# Altium PCB COPY 1 - Copy.PcbDoc (part 2 of 2) (continued)
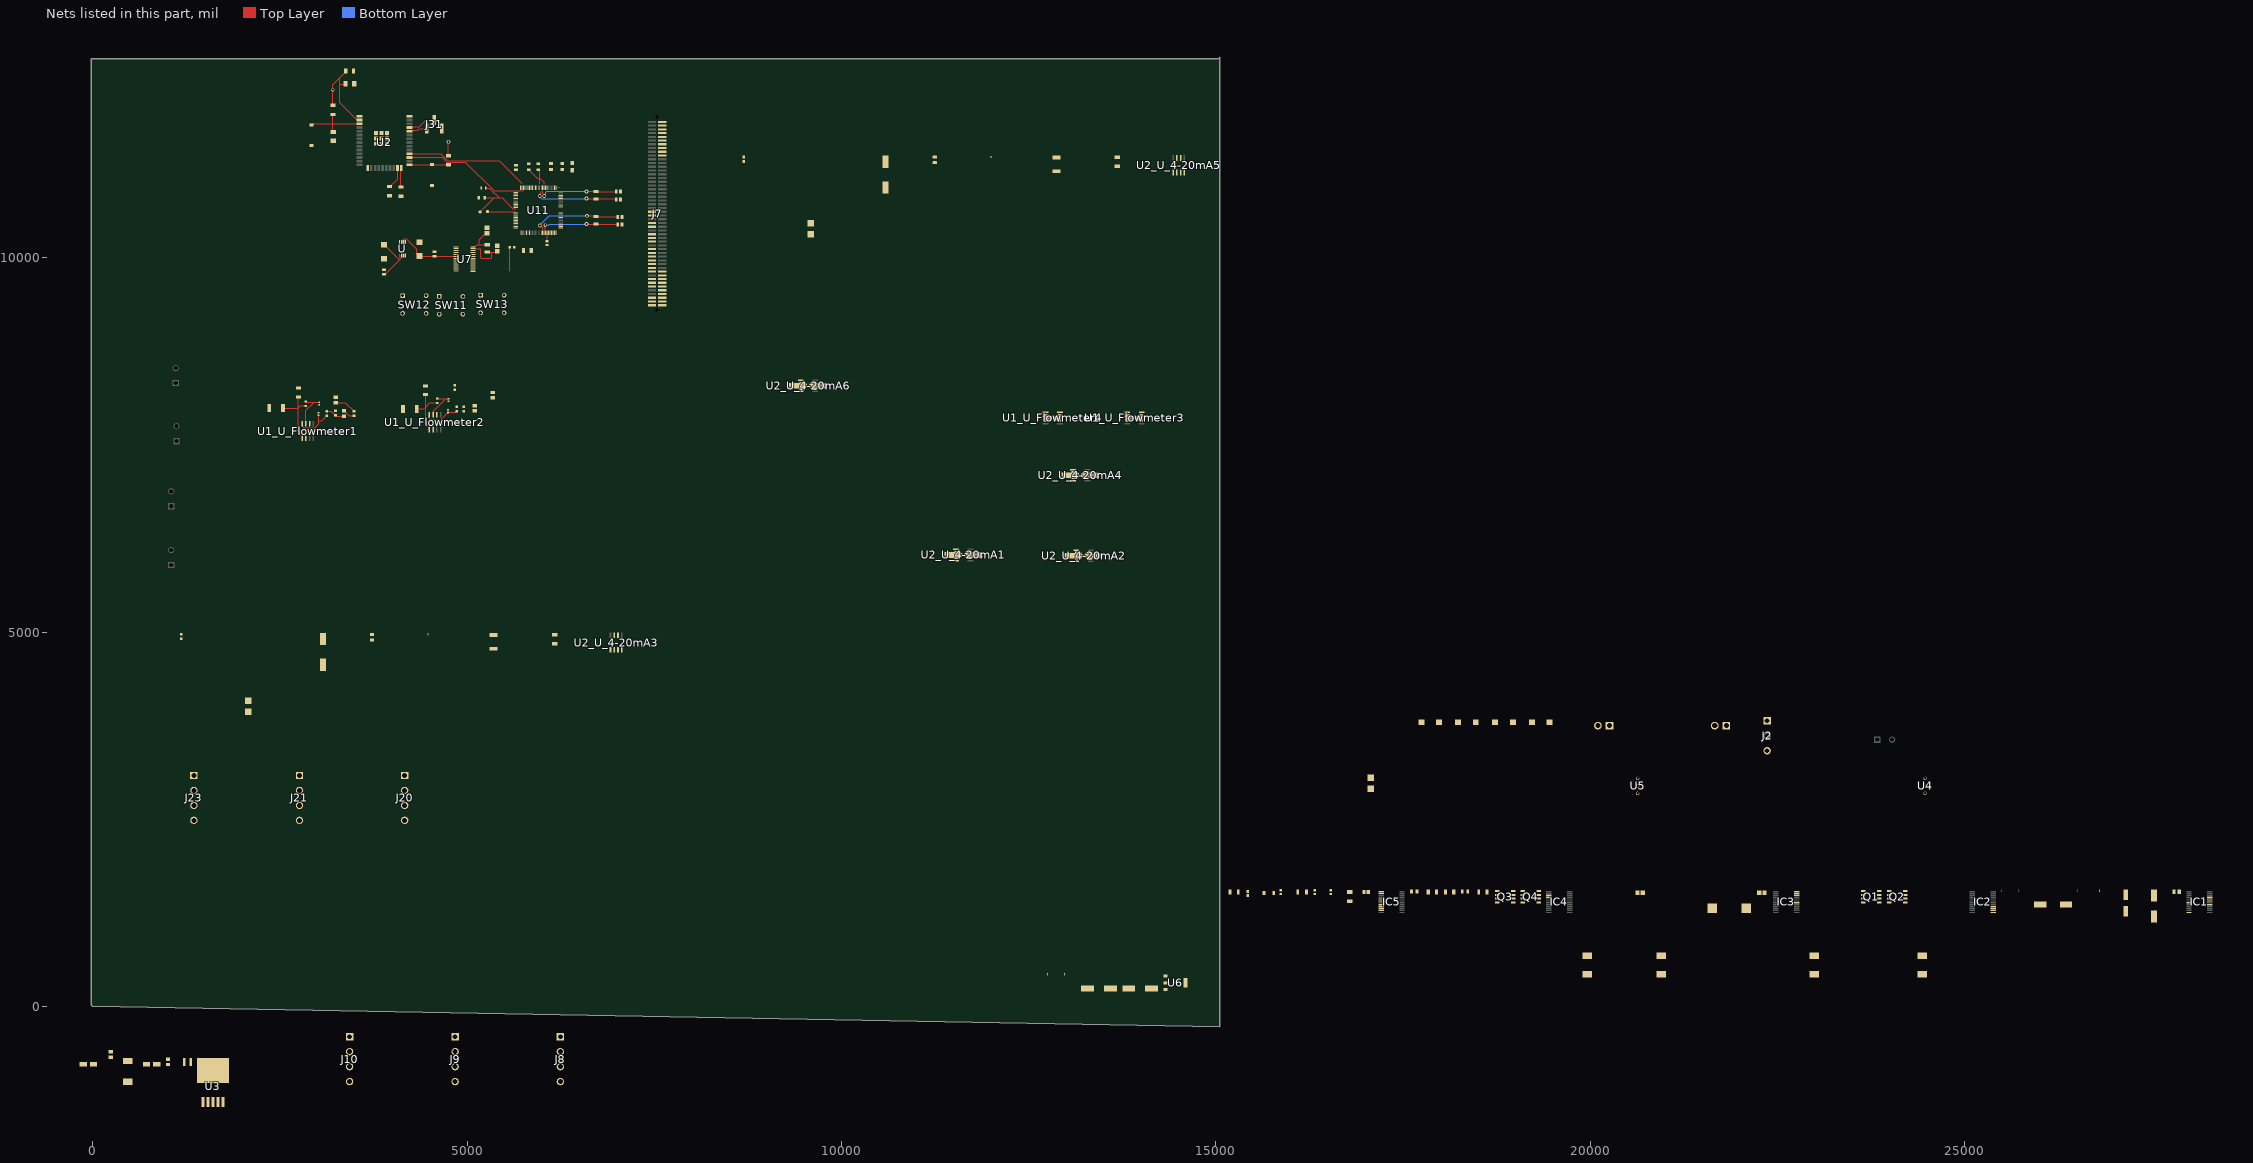
[diagram p2: the nets of this part, all layers, seen from the top]
## Part data (continued)
J J4 J5 J6 "JP 1": "2 Position Terminal Block Header, Male Pins, Shrouded _4 Side_ 0.200 _5.08mm_ 90Â°, Right Angle Through Hole", Package=None, Supplier Part Number 1=651-1757242, Digi-Key_Part_Number=277-1106-ND, Digi-Key_Purchase_URL=https://www.digikey.ch/product-detail/en/phoenix-contact/1757242/277-1106-ND/260474?utm_source=snapeda&utm_medium=aggregator&utm_campaign=symbol, MF="Phoenix Contact", MP=1757242, SnapEDA_Link=https://www.snapeda.com/parts/1757242/Phoenix%20Contact/view-part/228512/?ref=snap, Supplier 1=Mouser
J1 J3: "Connector", Manufacturer_Name=Molex, Mouser Part Number=538-26-48-1025, Supplier Part Number 1=WM50008-02-ND, Datasheet Link=https://www.molex.com/pdm_docs/sd/026481025_sd.pdf, Height=14.68mm, Manufacturer_Part_Number=26-48-1025, Mouser Price/Stock=https://www.mouser.co.uk/ProductDetail/Molex/26-48-1025?qs=Vtbn2VVmZzHbNAFdpV%2FLOg%3D%3D, Supplier 1=Digi-Key
J2: "Connector", Manufacturer_Name="Phoenix Contact", Mouser Part Number=651-1757255, Arrow Part Number=1757255, Arrow Price/Stock=https://www.arrow.com/en/products/1757255/phoenix-contact?region=nac, Datasheet Link=https://datasheet.datasheetarchive.com/originals/distributors/SFDatasheet-2/sf-00051650.pdf, Height=8.75mm, Manufacturer_Part_Number=1757255, Mouser Price/Stock=https://www.mouser.co.uk/ProductDetail/Phoenix-Contact/1757255?qs=uD%2FdkN7XIa0ez8xszzicKg%3D%3D, Supplier 1=Mouser, Supplier Part Number 1=651-1757255
J7: "Connector Header Surface Mount 100 position 0.050 (1.27mm)", Package=None, Availability="In Stock", Check_prices=https://www.snapeda.com/parts/TFM-150-22-L-D-A/Samtec/view-part/?ref=eda, MF=Samtec, MP=TFM-150-22-L-D-A, Price=None, Purchase-URL=https://pricing.snapeda.com/search/part/TFM-150-22-L-D-A/?ref=eda, SnapEDA_Link=https://www.snapeda.com/parts/TFM-150-22-L-D-A/Samtec/view-part/?ref=snap
J8 J9 J10 J20 J21 J23: "Connector", Manufacturer_Name="Phoenix Contact", Mouser Part Number=651-1757268, Arrow Part Number=1757268, Arrow Price/Stock=https://www.arrow.com/en/products/1757268/phoenix-contact?region=nac, Datasheet Link=https://datasheet.datasheetarchive.com/originals/distributors/SFDatasheet-2/sf-00051651.pdf, Height=8.75mm, Manufacturer_Part_Number=1757268, Mouser Price/Stock=https://www.mouser.co.uk/ProductDetail/Phoenix-Contact/1757268?qs=uD%2FdkN7XIa2BicmSj3mD7g%3D%3D, Supplier 1=Mouser, Supplier Part Number 1=651-1757268
J31: Package=None, Availability=Unavailable, MF=Samtec, MP=TSM-103-01-T-SV-P-TR, Price=None
L1: "FIXED IND 10UH 1280MA POWRTRNAUT", Package=None, Supplier Part Number 1=81-LQH3NPH101MMEL, Availability=Unavailable, MP=LQH3NPH101MMEL, Price=None, Supplier 1=Mouser
L2: library part CMP-02424-000578-1, "Commercial Inductors, High Saturation Series 4.7uH 10A 15mΩ 20%", Case/Package=5050, Current Rating=10A, DC Resistance (DCR)=15mR, Inductance=4.7uH, Inductance Tolerance=20%, Max Operating Temperature=125°C, Min Operating Temperature=-55°C, Package Quantity=500, Saturation Current=24A, Self Resonant Frequency=5MHz, Test Frequency=100kHz, Core Material=Metal, Depth=12.9mm, Height=3.5mm, Height - Seated (Max)=0.138inch, Lead Free="Lead Free", Length=13.2mm, Max DC Current=10A, Military Standard=Not, Mount="Surface Mount", Number of Pins=5050, Packaging="Tape and Reel", Radiation Hardening=No, RMS Current (Irms)=10A, Shielding=Shielded, Termination=SMD/SMT, Tolerance=20%, Width=0.508inch
"L VSW": library part CMP-06042-008286-2, "Wire Wound Ferrite Inductor for General Circuits 4.7μH ±10% 1.2Ω 270mA 1210", Case Code (Imperial)=1210, Case Code (Metric)=3225, Current Rating=270mA, DC Resistance (DCR)=1.2R, Frequency=31MHz, Inductance=4.7uH, Inductance Tolerance=10%, Inductor Type=Wirewound, Max Operating Temperature=85°C, Min Operating Temperature=-25°C, Package Quantity=1, Test Frequency=1MHz, Case/Package=1210, Core Material=Ferrite, DC Current=270mA, Depth=2.7mm, Height=2mm, Height - Seated (Max)=0.087inch, Lead Free="Lead Free", Length=3.2mm, Max DC Current=270mA, Military Standard=Not, Mount="Surface Mount", Number of Pins=2, Packaging="Tape and Reel", Q Factor=20, Radiation Hardening=No, Rated Current-Max=270mA, REACH SVHC="No SVHC", Resistor Type=Wirewound, Self Resonant Frequency=31MHz, Series=LQH32M, Series Resistance=1.2R, Shielding=Unshielded, Termination=SMD/SMT, Tolerance=10%, Weight=0.000564oz, Width=2.5mm
PLUG29: "Plug, Terminal Block; 12 A; 250 V; 5.08 mm; 3 position, screw, Pre-Printed", Color=Green, Current=15A, Current Rating=12A, Flammability Rating="UL94 V-0", Manufacturer="Phoenix Contact", Package Quantity=50, Supplier Part Number 1=277-1965-ND, Voltage=300V, Voltage Rating=250V, Category="Terminal Blocks", ComponentLink1Description=https://datasheet.ciiva.com/795/1762208-795480.pdf?src-supplier=Digi-Key, ComponentLink1URL=https://datasheet.ciiva.com/795/1762208-795480.pdf?src-supplier=Digi-Key, ComponentLink2Description=https://datasheet.ciiva.com/3970/1762208-3970503.pdf?src-supplier=Arrow+Electronics, ComponentLink2URL=https://datasheet.ciiva.com/3970/1762208-3970503.pdf?src-supplier=Arrow+Electronics, ComponentLink3Description=https://datasheet.ciiva.com/16071/1762208-16071547.pdf?src-supplier=Onlinecomponents.com, ComponentLink3URL=https://datasheet.ciiva.com/16071/1762208-16071547.pdf?src-supplier=Onlinecomponents.com, ComponentLink4Description=https://datasheet.ciiva.com/14608/70055301-14608154.pdf?src-supplier=Allied+Electronics, ComponentLink4URL=https://datasheet.ciiva.com/14608/70055301-14608154.pdf?src-supplier=Allied+Electronics, ComponentLink5Description=https://datasheet.ciiva.com/29219/567120-da-01-en-steckerteil-1762208-50-st-29219722.pdf?src-supplier=Conrad, ComponentLink5URL=https://datasheet.ciiva.com/29219/567120-da-01-en-steckerteil-1762208-50-st-29219722.pdf?src-supplier=Conrad, Connector Type=Screw, Contact Material=Tin, Contact Plating=Tin, Gender=Female, Height=15.24mm, Housing Color=Green, Housing Material=Plastic, Length=15mm, Manufacturer Part Number=1762208, Material=Polyamide, Max Current Rating=12A, Mount="Free Hanging,Plug-In,Cable", Number of Circuits=3, Number of Contacts=3, Number of Levels=1, Number of Poles=3, Number of Positions=3, Number of Positions Per Level=3, Number of Rows=1, Orientation="Right Angle", Packaging=Bulk, Pitch=5.08mm, Pricing 1="1=3.21000, 10=3.12400, 50=2.92000, 100=2.68640, 250=2.48200, 500=2.36520, 1000=2.24840 (USD)", RoHS=Yes, RoHS Compliant=Yes, Series="COMBICON MSTB", Stock 1=761, Stripping Length=7mm, Supplier 1=Digi-Key, Termination=Screw, Weight=0.190479oz, Width=10.16mm, Wire Gauge (Max)=30AWG, Wire Gauge (Min)=12AWG
Q1 Q2 Q3 Q4: "MOSFET (N-Channel)", Manufacturer_Name="ON Semiconductor", Mouser Part Number=512-FDS5670, Arrow Part Number=FDS5670, Arrow Price/Stock=https://www.arrow.com/en/products/fds5670/on-semiconductor, Datasheet Link=https://eagle.componentsearchengine.com/Datasheets/2/FDS5670.pdf, Height=1.75mm, Manufacturer_Part_Number=FDS5670, Mouser Price/Stock=https://www.mouser.com/Search/Refine.aspx?Keyword=512-FDS5670
R1 R2 R3 R4: library part CMP-03211-008372-1, "Res Thin Film 1206 10KΩ 0.1% 0.25W 15ppm/°C Molded SMD", Manufacturer="TE Connectivity", Package=RP732B, Power Rating=0.25W, Resistance=10KΩ, Temperature="-55°C to 155°C", Temperature Coefficient=15ppm/°C, Temperature Range High=155°C, Temperature Range Low=-55°C, Tolerance=0.1%, Voltage Rating=200V, Automotive=No, Category=Res, ComponentLink2Description=Datasheet, ComponentLink2URL=https://www.te.com/commerce/DocumentDelivery/DDEController?Action=showdoc&DocId=Data+Sheet%7F1773272%7FL%7Fpdf%7FEnglish%7FENG_DS_1773272_L.pdf%7F8-1879255-6, Composition="Thin Film", Device Class L1="Passive Components", Device Class L2=Resistors, Device Class L3="Chip SMD Resistors", Height=0.65mm, Ipc Land Pattern Name=RESC305155X55, Lead Free=Yes, Manufacturer Part Number=RP73D2B10KBTG, Octopart=https://octopart.com/rp73d2b10kbtg-te+connectivity-42012630, octopart_url=https://octopart.com/rp73d2b10kbtg-te+connectivity-42012630, Packaging="250 cut tape length", RoHS=TRUE, Series=RP73
R6: library part CMP-2000-03379-2, "RES Thick Film, 47kΩ, 1%, 0.1W, 100ppm/°C, 0603", Case Code (Imperial)=0603, Case Code (Metric)=1608, Max Operating Temperature=155°C, Min Operating Temperature=-55°C, Package Quantity=5000, Power Rating=100mW, Resistance=47kR, Temperature Coefficient=100ppm/°C, Tolerance=1%, Voltage Rating=75V, Case/Package=0603, Composition="Thick Film", Contact Plating=Tin, Depth=0.85mm, Height=0.45mm, Lead Free="Lead Free", Length=1.55mm, Military Standard=Not, Mount="Surface Mount", Packaging="Tape and Reel", Radiation Hardening=No, Termination=SMD/SMT, Voltage Rating (DC)=75V, Weight=7.1E-05oz, Width=0.85mm
R9: library part CMP-1013-00284-2, Manufacturer=Panasonic, Part Number=ERJ-6ENF10R0V
R10 R11: library part CMP-2003-00769-1, Manufacturer=Panasonic, Part Number=ERJ8BWFR018V
R12: library part CMP-2003-02025-1, Manufacturer="Vishay Dale", Part Number=CRCW1206294KFKEA
R13 R14 R16: library part CMP-1012-00623-3, "Chip Resistor, 10 KOhm, +/- 1%, 0.1 W, -55 to 155 degC, 0603 (1608 Metric), RoHS, Tape and Reel", Case Code (Imperial)=0603, Case Code (Metric)=1608, Manufacturer=Panasonic, Max Operating Temperature=155degC, Max Power Dissipation=100mW, Min Operating Temperature=-55degC, Package Description="2-Pin Surface Mount Device, Body 1.6 x 0.85 mm", Package Quantity=1, Package Reference=603, Resistance=10KOhm, Temperature Coefficient=100ppm\/degreesC, Tolerance=1%, Voltage Rating=75V, Case\/Package=0603, Composition=ThickFilm, Contact Plating=Tin, Datasheet URL=https://industrial.panasonic.com/cdbs/www-data/pdf/RDA0000/AOA0000C304.pdf, Datasheet Version=02/2017, Depth=0.8mm, Height=0.45mm, Lead Free=LeadFree, Length=1.6mm, Manufacturer URL=http://www.panasonic.com/, Military Standard=Not, Mount=SurfaceMount, Mounting Technology=SurfaceMount, Number of Pins=2, Number of Terminations=2, Packaging=TapeandReel, Power Rating=100mW, Radiation Hardening=No, REACH SVHC=NoSVHC, RoHSCompliant=true, Termination=SMD/SMT, Voltage Rating (DC)=75V, Width=0.031inch
R15 RF1_U_Flowmeter1 RF1_U_Flowmeter2 RF1_U_Flowmeter3 RF1_U_Flowmeter4: "Carbon film resistor 100 kâ„", Package=None, Supplier Part Number 1=311-100KERCT-ND, Availability=Unavailable, MP=RC1206JR-07100KL, Price=None, Supplier 1=Digi-Key
R17 R18 RF_U_4-20mA1 RF_U_4-20mA2 RF_U_4-20mA3 RF_U_4-20mA4 RF_U_4-20mA5 RF_U_4-20mA6: "100 Ohms Â±5% 0.5W, 1/2W Chip Resistor 0805 _2012 Metric_ Pulse Withstanding Thick Film", Package="0805 TE Connectivity", Supplier Part Number 1=279-CRGS0805J100R, Availability=Unavailable, MF="TE Connectivity", MP=CRGS0805J100R, Price=None, SnapEDA_Link=https://www.snapeda.com/parts/CRGS0805J100R/TE%20Connectivity%20AMP%20Connectors/view-part/1008227/?ref=snap, Supplier 1=Mouser, TE_purchase_URL=https://www.te.com/usa-en/product-2-2176244-5.html?te_bu=Cor&te_type=disp&te_campaign=seda_glo_cor-seda-global-disp-prtnr-fy19-seda-model-bom-cta_sma-317_1&elqCampaignId=32493
"R AV": library part CMP-2001-04896-1, Manufacturer="Vishay Dale", Part Number=CRCW08050000Z0EA
RCore: library part CMP-2000-03640-1, Manufacturer="Vishay Dale", Part Number=CRCW060391K0FKEA
RF2_U_Flowmeter1 RF2_U_Flowmeter2 RF2_U_Flowmeter3 RF2_U_Flowmeter4: "Chip Resistor Surface Mount", Package=None, Supplier Part Number 1=YAG1267CT-ND, Availability=Unavailable, MP=RC0402FR-073K3P, Price=None, Supplier 1=Digi-Key
RF3_U_Flowmeter1 RF3_U_Flowmeter2 RF3_U_Flowmeter3 RF3_U_Flowmeter4 RF8_U_4-20mA1 RF8_U_4-20mA2 RF8_U_4-20mA3 RF8_U_4-20mA4 RF8_U_4-20mA5 RF8_U_4-20mA6: Package=None, Supplier Part Number 1=CRS2010AFX-1001ELFCT-ND, Availability=Unavailable, MP=CRS2010AFX-1001ELF, Price=None, Supplier 1=Digi-Key
RF4_U_Flowmeter1 RF4_U_Flowmeter2 RF4_U_Flowmeter3 RF4_U_Flowmeter4: "Res Thick Film 0603 1M Ohm 1% 0.1W(1/10W) Â±100ppm/Â°C Sulfur Resistant Pad SMD Automotive T/R", Package="1608-2 Panasonic", Supplier Part Number 1=667-ERJ-S03F1004V, Availability="Not in stock", Check_prices=https://www.snapeda.com/parts/ERJ-S03F1004V/Panasonic/view-part/3733497/?ref=eda, MF=Panasonic, MP=ERJ-S03F1004V, Price=None, SnapEDA_Link=https://www.snapeda.com/parts/ERJ-S03F1004V/Panasonic/view-part/3733497/?ref=snap, Supplier 1=Mouser
RF5_U_Flowmeter1 RF5_U_Flowmeter2 RF5_U_Flowmeter3 RF5_U_Flowmeter4 RF7_U_Flowmeter1 RF7_U_Flowmeter2 RF7_U_Flowmeter3 RF7_U_Flowmeter4: "Resistor Thick Film 0603 5.1k Ohm 5% 1/10 Watt Â±200ppm Â°C Surface Mount Paper Tape On Plastic Reel", Package=None, Supplier Part Number 1=118-CR0603-JW-512ELFCT-ND, Availability=Unavailable, MP=CR0603-JW-512ELF, Price=None, Supplier 1=Digi-Key
RF6_U_Flowmeter1 RF6_U_Flowmeter2 RF6_U_Flowmeter3 RF6_U_Flowmeter4: "RES SMD 2.21KOHM 0.5% 1/10W 0603", Package=None, Availability=Unavailable, MP=RT0603DRE072K21L, Price=None
S1 S3: "Tactile Switch SPST-NC Top Actuated Surface Mount", Package=None, Availability=Unavailable, MP=ATS2D3G_NC_LFG, Price=None
SW11 SW12 SW13: library part CMP-05613-000006-1, "SWITCH PUSH SPST-NO 0.1A 14V", Contact Current Rating=100mA, Max Operating Temperature=80°C, Max Voltage Rating (DC)=14V, Min Operating Temperature=-30°C, Operating Force=4N, Package Quantity=1200, Actuator Length=5.5mm, Actuator Type=Lever, Current Rating=100mA, Lead Free="Lead Free", Mount="Through Hole", Orientation=Straight, Packaging=Bulk, Radiation Hardening=No, REACH SVHC="No SVHC", RoHS Compliant=Yes, Series=ESE20C, Switch Function=Off-Mom, Termination="PC Pin", Throw Configuration=SPST, Voltage Rating (DC)=14V
U: "Ic Vref Series Prec 2.5v 8-Msop - Ltc6652ahms8-2.5#Pbf", Package="MSOP-8 Linear Technology", Availability=Unavailable, MF="Linear Technology", MP=LTC6652AHMS8-2.5#PBF, Price=None, SnapEDA_Link=https://www.snapeda.com/parts/LTC6652AHMS8-2.5%23PBF/Analog%20Devices/view-part/135303/?ref=snap
U1_U_Flowmeter1 U1_U_Flowmeter2 U1_U_Flowmeter3 U1_U_Flowmeter4: "Comparator General Purpose Pull Up 8-SOIC", Package="SOIC -8 Analog Devices", Supplier Part Number 1=584-LT1017IS8#PBF, Availability="In Stock", Check_prices=https://www.snapeda.com/parts/LT1017IS8%23PBF/Analog%20Devices/view-part/4348316/?ref=eda, MF="Analog Devices", MP=LT1017IS8#PBF, Price=None, Purchase-URL=https://pricing.snapeda.com/search/part/LT1017IS8#PBF/?ref=eda, SnapEDA_Link=https://www.snapeda.com/parts/LT1017IS8%23PBF/Analog%20Devices/view-part/4348316/?ref=snap, Supplier 1=Mouser
U2: "Bluetooth, WiFi 802.11b/g/n, Bluetooth v4.2 + EDR, Class 1, 2 and 3 Transceiver Module 2.4GHz ~ 2.5GHz Integrated, Trace Surface Mount", Package="Module Espressif Systems", Availability=Unavailable, MF="Espressif Systems", MP=ESP32-WROOM-32D, Price=None, SnapEDA_Link=https://www.snapeda.com/parts/ESP32-WROOM-32D/Espressif%20Systems/view-part/2768115/?ref=snap
U2_U_4-20mA1 U2_U_4-20mA2 U2_U_4-20mA3 U2_U_4-20mA4 U2_U_4-20mA5 U2_U_4-20mA6: "SP Amp DIFF AMP Single R-R O/P ±18V/36V Automotive 8-Pin SOIC N Tube", Case/Package=SOIC, Input Offset Voltage (Vos)=5.2mV, Input Resistance=2MR, Manufacturer="Analog Devices / Linear Technology", Manufacturer Part Number=LT1990ACS8#PBF, Max Dual Supply Voltage=18V, Max Operating Temperature=70°C, Max Supply Voltage=36V, Min Dual Supply Voltage=1.35V, Min Operating Temperature=0°C, Min Supply Voltage=2.4V, Operating Supply Current=140uA, Output Current per Channel=22mA, Package="SOIC -8 Analog Devices", Package Quantity=100, Power Supply Rejection Ratio (PSRR)=80dB, Supplier Part Number 1=584-LT1990ACS8#PBF, -3db Bandwidth=105kHz, Amplifier Type=DIFFERENTIAL, Availability=Good, Bandwidth=100kHz, Category="Amplifiers - Op Amps, Buffer, Instrumentation", Check_prices=h, Common Mode Rejection Ratio=70dB, ComponentLink1Description=https://datasheet.ciiva.com/15128/getdatasheetpartid-371446-15128871.pdf?src-supplier=Verical, ComponentLink1URL=https://datasheet.ciiva.com/15128/getdatasheetpartid-371446-15128871.pdf?src-supplier=Verical, ComponentLink2Description=https://datasheet.ciiva.com/1802/5087-1802941.pdf?src-supplier=Digi-Key, ComponentLink2URL=https://datasheet.ciiva.com/1802/5087-1802941.pdf?src-supplier=Digi-Key, ComponentLink3Description=https://datasheet.ciiva.com/1492/1990fb-1492770.pdf?src-supplier=Farnell, ComponentLink3URL=https://datasheet.ciiva.com/1492/1990fb-1492770.pdf?src-supplier=Farnell, ComponentLink4Description=https://datasheet.ciiva.com/1485/1679607-1485298.pdf?src-supplier=Element14, ComponentLink4URL=https://datasheet.ciiva.com/1485/1679607-1485298.pdf?src-supplier=Element14, Lead Free="Lead Free", MF="Analog Devices", MP=LT1990ACS8#PBF, Nominal Gain Bandwidth Product=100kHz, Number of Amplifiers=1, Number of Channels=1, Number of Circuits=1, Number of Elements=1, Number of Pins=8, Packaging=Rail/Tube, Price=None, Pricing 1="1=5.20000, 10=4.67000, 50=4.42000, 100=3.82000, 1000=3.25000, 10000=3.25000 (USD)", Purchase-URL=https://pricing.snapeda.com/search/part/LT1990ACS8#PBF/?ref=eda, Radiation Hardening=No, REACH SVHC="No SVHC", RoHS=Yes, RoHS Compliant=Yes, Slew Rate=0.55V/µs, SnapEDA_Link=https://www.snapeda.com/parts/LT1990ACS8%23PBF/Analog%20Devices/view-part/4348994/?ref=snap, Stock 1=55, Supplier 1=Mouser
U3: "SIMPLE SWITCHERé›»æºè½‰æ›å™¨150 KHz 1Aé™å£“ç©©å£“å™¨5-DDPAK / TO-263", Package="TO-263-5 Texas Instruments", Supplier Part Number 1=296-37722-5-ND, Availability=Warning, Check_prices=https://www.snapeda.com/parts/LM2595S-5.0/Texas%20Instruments/view-part/20758/?ref=eda, DigiKey-Purchase-URL=https://snapeda.com/shop?store=DigiKey&id=20758, MF="Texas Instruments", MP=LM2595S-5.0, Price=None, SnapEDA_Link=https://www.snapeda.com/parts/LM2595S-5.0/Texas%20Instruments/view-part/20758/?ref=snap, Supplier 1=Digi-Key
U6: library part CMP-0476-01801-1, "Micropower Low Dropout Regulator with Shutdown, 4.17 to 36 V Vin, 3.3 V Vout, 3-pin SOT223 (ST-3), 0 to 125 degC, Pb-Free, Tape and Reel", Dropout Voltage(V)=0.42, Manufacturer="Linear Technology", Output Voltage="3.3 V", Shutdown Current(uA)=16, ComponentLink1Description="Manufacturer URL", ComponentLink1URL=http://www.linear.com/, ComponentLink2Description=Datasheet, ComponentLink2URL=http://cds.linear.com/docs/en/datasheet/1121fg.pdf, ComponentLink3Description="Package Specification", ComponentLink3URL=http://cds.linear.com/docs/en/packaging/SOT_3_05-08-1630.pdf, DatasheetVersion="Rev. G", Discrete Pass Element=no, Iout(mA)=150, Isupply(mA)=0.03, Mounting Technology="Surface Mount", Number of Outputs=1, PackageDescription="3-Pin Plastic SOT-223, 3.505 x 6.505 mm Body, Pitch 2.3 mm", PackageReference=ST-3, PackageVersion=Jun-10, Packing="Tape and Reel", PartNumber=LT1121CST-3.3#TRPBF, RoHS=TRUE, Vin Max(V)=36, Vin Min(V)=4.17
U7: library part CMP-0313-02003-2, "10 Channel 24-Bit Low Power Sigma-Delta Analog-to-Digital Converter with Serial, SPI Interface, 1.365KSPS, -40 to +85 degC, RU-28, Pb-Free, Tube", Generic Part Number=AD7718, Manufacturer="Analog Devices", Channels=10, Code_JEDEC=MO-153-AE, ComponentLink1Description="Manufacturer URL", ComponentLink1URL=http://www.analog.com/en/index.html, ComponentLink2Description=Datasheet, ComponentLink2URL=http://www.analog.com/static/imported-files/data_sheets/AD7708_7718.pdf, ComponentLink3Description="Package Specification", ComponentLink3URL=http://www.analog.com/static/imported-files/packages/249854663RU_28.pdf, ComponentLink4Description="Product URL", ComponentLink4URL=http://www.analog.com/en/analog-to-digital-converters/ad-converters/ad7718/products/product.html, DatasheetVersion=Rev.0, Interface="Ser, SPI", Mounting Technology="Surface Mount", PackageDescription="28-Lead Thin Shrink Small Outline Package [TSSOP]", PackageReference=RU-28, PackageVersion=2005, Packing=Tube, PartNumber=AD7718BRUZ, Resolution (Bits)=24, RoHS=Y, Throughput Rate (SPS)=1.365K
U11: "SimpleLink ultra-low-power 32-bit Arm Cortex-M4F MCU With Precision ADC, 256KB Flash and 64KB RAM 100-LQFP -40 to 85", Package="LQFP-100 Texas Instruments", BuyPart=https://www.snapeda.com/parts/MSP432P401RIPZR/Texas%20Instruments/view-part/537368/?ref=eda, Digi-Key_Part_Number=296-44715-1-ND, DigiKey-Purchase-URL=https://snapeda.com/shop?store=DigiKey&id=537368, MF="Texas Instruments", Mouser-Purchase-URL=https://snapeda.com/shop?store=Mouser&id=537368, MP=MSP432P401RIPZR, SnapEDA_Link=https://www.snapeda.com/parts/MSP432P401RIPZR/Texas%20Instruments/view-part/537368/?ref=snap, Texas_Instruments-Purchase-URL=https://snapeda.com/shop?store=Texas+Instruments&id=537368
Y1 Y2: library part CMP-2000-07587-1, "Tuning Fork Crystal, 32.768 KHz, +/- 20 ppm, -40 to 85 degC, 2-Pin SMD, RoHS, Tape and Reel", Case\/Package=SMD/SMT, ESR (Equivalent Series Resistance)=55KOhm, Frequency=32.768KHz, Frequency Tolerance=20ppm, Load Capacitance=6pF, Manufacturer=Abracon, Max Operating Temperature=85degC, Min Operating Temperature=-40degC, Package Description="2-Pin Surface Mount Device, Body 3.2 x 1.5 mm", Package Quantity=3000, Package Reference=ABS07, Series Resistance=60KOhm, Datasheet URL=http://www.abracon.com/Resonators/ABS07-120-32.768kHz-T.pdf, Datasheet Version=11/2014, Depth=1.5mm, Height=0.035inch, Lead Free=LeadFree, Length=3.2mm, Manufacturer URL=http://www.abracon.com/, Mount=SurfaceMount, Mounting Technology=SurfaceMount, Number of Pins=2, Packaging=TapeandReel, Radiation Hardening=No, REACH SVHC=NoSVHC, RoHSCompliant=True, Termination=SMD/SMT, Tolerance=20ppm, Width=0.061inch
"YA 1": library part CMP-0447-00001-3, "CRYSTAL 32.7680KHZ 12.5PF SMD", Case/Package=CSMD, ESR (Equivalent Series Resistance)=70kR, Frequency=32.768kHz, Frequency Tolerance=20ppm, Load Capacitance=12.5pF, Max Operating Temperature=85°C, Min Operating Temperature=-40°C, Operating Frequency="32.768 kHz", Package Quantity=3000, Depth=1.5mm, Height=0.035inch, Lead Free="Lead Free", Length=3.2mm, Number of Pins=2, Packaging="Tape and Reel", Radiation Hardening=No, REACH SVHC="No SVHC", RoHS Compliant=Yes, Series=ABS07, Series Resistance=70kR, Termination=SMD/SMT, Tolerance=20ppm, Width=0.061inch

## Via types
v1: diameter 50, hole 28, Top Layer to Bottom Layer, 10 vias

## Nets (pads, with @x,y where several pads share a name; then routed paths per layer and width w, separated by ;. In a path a pad name is that pad's centre, name@x,y a point inside that pad or via, vN(x,y) a via of type N, cw(c..) or ccw(c..) an arc to the next point about the centre after c; other vN are vias at no path point)
3V3: C6.1 C8.1 J7.11 J7.50 J7.52 R1.2 R2.2 U2.2 U7.26 | length 1486.5
  Top Layer w10: R1.2@3205,12037.01 v1(3205,12245) 3205,12309.37 3300,12404.37 ; C6.1@3375,12325 3365,12315 3305.86,12315 3300,12309.14 ; C8.1@3378.82,12495 3378.82,12483.19 3300,12404.37 ; U2.2@3560.71,11840 3547.99,11852.72 3519.69,11852.72 3300,12072.41 3300,12309.14 ; R2.2@4750,11364.02 v1(4750,11550) ; 3300,12309.14 3300,12404.37
24V0: CR3.2 J8.1 J9.1 J10.1 J20.1 J21.1 J23.1 Q2.5 Q2.6 Q2.7 Q2.8 R12.1
+3V3: "R AV.2" C3.2 C4.1 C7.1 R6.2 U11.13 U11.73
+5: C9.1 C29.1 C45.1 C58.1 L1.2 U2_U_4-20mA1.7 U2_U_4-20mA2.7 U2_U_4-20mA3.7 U2_U_4-20mA4.7 U2_U_4-20mA5.7 U2_U_4-20mA6.7 U3.4 U6.1
"+6 VDC": C15.1 C16.1 CR2.1 CR4.1 IC1.19
\: U11.3
A5V0: "CA5 .1uF.1" "CA6 47uF.2" U7.3 U.2 U.3 | length 652.7
  Top Layer w10: 3890,9780.47 3903.7,9794.17 3917.39,9794.17 4111.71,9988.5 ; 3890,10172.91 3892.76,10172.91 4077.17,9988.5 4111.71,9988.5 ; U.2@4122,10031 4120.5,10029.5 4120.5,9997.29 4111.71,9988.5
DCORE: RCore.2 U11.44 | length 114.3
  Top Layer w10: RCore.2@6065,10219.61 6068.11,10222.72 U11.44@6068.11,10332.64
ESP32_BOOT: R2.1 S3.2 U2.25 | length 522.3
  Top Layer w10: U2.25@4230,11240 4232.8,11242.8 S3.2@4530,11242.8 4532.8,11240 R2.1@4750,11240
ESP32_EN: C5.2 R1.1 S1.2 U2.3 | length 877
  Top Layer w10: S1.2@2920,11775 2934.14,11789.14 3205,11789.14 ; R1.1@3205,11912.99 3205,11789.14 ; 3205.86,11790 3205,11789.14 ; C5.2@3210,11680 3205,11685 3205,11789.14 ; 3210.86,11790 U2.3@3560.71,11790
ESP32_UART0.RX: J31.03 U2.34 | length 244.5
  Top Layer w10: U2.34@4230,11690 4242.72,11702.72 4341.04,11702.72 4363.33,11725 J31.03@4460,11725
ESP32_UART0.TX: J31.02 U2.35 | length 371.4
  Top Layer w10: U2.35@4230,11740 4242.72,11752.72 4358.56,11752.72 4445.81,11839.96 J31.02@4560,11839.96
GND: "CA1 12pF.1" "CA2 12pF.1" "CA3 47uF.1" "CA4 .1uF.2" "CA5 .1uF.2" "CA6 47uF.1" C1.2 C2.2 C3.1 C4.2 C5.1 C6.2 C7.2 C8.2 C9.2 C10.2 C11.1 C12.1 C13.1 C14.2 C15.2 C16.2 C17.2 C21.2 C22.2 C23.2 C24.2 C25.2 C26.2 C27.2 C28.2 C29.2 C30.2 C45.2 C58.2 C243.2 C.2 CF2_U_Flowmeter1.2 CF2_U_Flowmeter2.2 CF2_U_Flowmeter3.2 CF2_U_Flowmeter4.2 CF3_U_Flowmeter1.2 CF3_U_Flowmeter2.2 CF3_U_Flowmeter3.2 CF3_U_Flowmeter4.2 CF7_U_4-20mA1.2 CF7_U_4-20mA2.2 CF7_U_4-20mA3.2 CF7_U_4-20mA4.2 CF7_U_4-20mA5.2 CF7_U_4-20mA6.2 CH11.1 CH12.1 CL21.1 CL22.1 CR6.2 CU9.2 CU10.1 D1.2 D2.2 IC1.7 IC1.17 IC1.20 IC5.9 IC5.11 J2.1 J3.2 J7.13 J7.15 J7.17 J7.19 J8.4 J9.4 J10.4 J20.4 J21.4 J23.4 J31.01 R3.2 R4.2 R10.2 R11.2 R14.2 R16.2 R18.2 RCore.1 RF3_U_Flowmeter1.1 RF3_U_Flowmeter2.1 RF3_U_Flowmeter3.1 RF3_U_Flowmeter4.1 RF7_U_Flowmeter1.2 RF7_U_Flowmeter2.2 RF7_U_Flowmeter3.2 RF7_U_Flowmeter4.2 S1.1 S3.1 SW11.b SW11.c SW11.d SW12.b SW12.c SW12.d SW13.b SW13.c SW13.d U1_U_Flowmeter1.2 U1_U_Flowmeter2.2 U1_U_Flowmeter3.2 U1_U_Flowmeter4.2 U2.1 U2.15 U2.38 U2.39_1 U2.39_2 U2.39_3 U2.39_4 U2.39_5 U2.39_6 U2.39_7 U2.39_8 U2.39_9 U2.39_10 U2.39_11 U2.39_12 U2.39_13 U2.39_14 U2.39_15 U2.39_16 U2.39_17 U2.39_18 U2.39_19 U2.39_20 U2.39_21 U2_U_4-20mA1.1 U2_U_4-20mA1.4 U2_U_4-20mA2.1 U2_U_4-20mA2.4 U2_U_4-20mA3.1 U2_U_4-20mA3.4 U2_U_4-20mA4.1 U2_U_4-20mA4.4 U2_U_4-20mA5.1 U2_U_4-20mA5.4 U2_U_4-20mA6.1 U2_U_4-20mA6.4 U3.3 U3.5 U3.6 U6.2 U6.4 U7.4 U7.5 U7.12 U7.17 U7.25 U11.15 U11.40 U11.72 U11.83 U.4 U.5 U.7 U.8
NetC1_1: "R AV.1" C1.1 C2.1 U11.43 U11.45 U11.82 U11.84 U11.87 | length 505.1
  Top Layer w10: 5650,11172.52 5659.84,11172.52 ; C1.1@5820,11174.65 5824.92,11174.65 5934.57,11065 5969.69,11065 ; C2.1@5950,11174.65 5954.92,11174.65 5968.74,11160.82 5968.74,11155.9 5969.69,11154.96 5969.69,11065 ; 5969.69,10990 5969.69,11065 ; 6028.74,10985 6028.74,11005.94 5969.69,11065
NetC17_1: C17.1 IC1.12
NetC18_1: C18.1 CR2.2 IC3.24
NetC18_2: C18.2 CR3.1 IC3.22 L2.2
NetC19_1: C19.1 CR5.2 IC2.15 L2.1 Q1.1 Q1.2 Q1.3 Q2.1 Q2.2 Q2.3 Q3.5 Q3.6 Q3.7 Q3.8 Q4.5 Q4.6 Q4.7 Q4.8
NetC19_2: C19.2 CR4.2 IC2.13
NetC20_1: C20.1 IC4.3 R17.1
NetC20_2: C20.2 IC4.4 R18.1
NetC21_1: C21.1 IC5.2
NetC22_1: C22.1 C23.1 R15.2
NetC28_1: C28.1 C30.1 U6.3
NetC243_1: C243.1 IC1.21 R9.1
"NetCA1 12pF_2": "CA1 12pF.2" "YA 1.1" U7.28 | length 422.9
  Top Layer w10: U7.28@5077.2,10146.34 5103.78,10146.34 5131.65,10174.21 5160,10174.21 ; 5270,10174.21 5160,10174.21 ; 5270,10347.17 5160,10237.17 5160,10174.21
"NetCA2 12pF_2": "CA2 12pF.2" "YA 1.2" U7.27 | length 590.9
  Top Layer w10: U7.27@5077.93,10120.02 U7.27@5077.2,10120.75 5178.39,10120.75 5185,10114.14 5185,10000.86 5190.86,9995 5325,9995 5331.1,10001.1 5331.1,10075.79 ; 5270,10075.79 5331.1,10075.79 ; 5405,10088.58 5392.2,10075.79 5331.1,10075.79
"NetCA3 47uF_2": "CA3 47uF.2" "CA4 .1uF.1" U7.6 U.6 | length 871
  Top Layer w10: U.6@4148,10209 4149.5,10210.5 4149.5,10242.71 4158.29,10251.5 4187.71,10251.5 4328.07,10111.14 4328.07,10056.26 4362.24,10022.09 4365,10022.09 4366.61,10020.47 4565,10020.47 ; 4563.15,10018.39 U7.6@4852.8,10018.39
NetCF1_U_Flowmeter1_1: CF1_U_Flowmeter1.1 RF5_U_Flowmeter1.2 RF7_U_Flowmeter1.1 | length 251.9
  Top Layer w10: RF5_U_Flowmeter1.2@3125,7950.71 3182.4,7950.71 3238.82,7894.29 RF7_U_Flowmeter1.1@3240,7894.29 3248.58,7885.71 CF1_U_Flowmeter1.1@3350,7885.71
NetCF1_U_Flowmeter1_2: CF1_U_Flowmeter1.2 RF6_U_Flowmeter1.1 | length 162.1
  Top Layer w10: CF1_U_Flowmeter1.2@3355,7954.65 3361.1,7954.65 3426.46,7889.29 RF6_U_Flowmeter1.1@3490,7889.29
NetCF1_U_Flowmeter2_1: CF1_U_Flowmeter2.1 RF5_U_Flowmeter2.2 RF7_U_Flowmeter2.1
NetCF1_U_Flowmeter2_2: CF1_U_Flowmeter2.2 RF6_U_Flowmeter2.1
NetCF1_U_Flowmeter3_1: CF1_U_Flowmeter3.1 RF5_U_Flowmeter3.2 RF7_U_Flowmeter3.1
NetCF1_U_Flowmeter3_2: CF1_U_Flowmeter3.2 RF6_U_Flowmeter3.1
NetCF1_U_Flowmeter4_1: CF1_U_Flowmeter4.1 RF5_U_Flowmeter4.2 RF7_U_Flowmeter4.1
NetCF1_U_Flowmeter4_2: CF1_U_Flowmeter4.2 RF6_U_Flowmeter4.1
NetCF2_U_Flowmeter1_1: CF2_U_Flowmeter1.1 RF5_U_Flowmeter1.1 U1_U_Flowmeter1.8 | length 532.1
  Top Layer w10: U1_U_Flowmeter1.8@2795,7782 2795,7753.5 2820.5,7728 2961.71,7728 3015,7781.29 3015,7825 ; CF2_U_Flowmeter1.1@3015,7895.59 3015,7825 ; RF5_U_Flowmeter1.1@3125,7889.29 3123.82,7889.29 3059.53,7825 3015,7825
NetCF2_U_Flowmeter2_1: CF2_U_Flowmeter2.1 RF5_U_Flowmeter2.1 U1_U_Flowmeter2.8 | length 473.3
  Top Layer w10: U1_U_Flowmeter2.8@4495,7902 4495,7848 4500.86,7842.14 4655.86,7842.14 4750.88,7937.17 4847.87,7937.17 RF5_U_Flowmeter2.1@4860,7949.29 ; CF2_U_Flowmeter2.1@4744.31,7933.48 4748.62,7937.8 CF2_U_Flowmeter2.1@4750,7937.8
NetCF2_U_Flowmeter3_1: CF2_U_Flowmeter3.1 RF5_U_Flowmeter3.1 U1_U_Flowmeter3.8
NetCF2_U_Flowmeter4_1: CF2_U_Flowmeter4.1 RF5_U_Flowmeter4.1 U1_U_Flowmeter4.8
NetCF3_U_Flowmeter1_1: CF3_U_Flowmeter1.1 RF6_U_Flowmeter1.2 | length 292.5
  Top Layer w10: CF3_U_Flowmeter1.1@3245,8065.35 3374.17,8065.35 3488.82,7950.71 RF6_U_Flowmeter1.2@3490,7950.71
NetCF3_U_Flowmeter2_1: CF3_U_Flowmeter2.1 RF6_U_Flowmeter2.2
NetCF3_U_Flowmeter3_1: CF3_U_Flowmeter3.1 RF6_U_Flowmeter3.2
NetCF3_U_Flowmeter4_1: CF3_U_Flowmeter4.1 RF6_U_Flowmeter4.2
NetCF5_U_4-20mA1_1: CF5_U_4-20mA1.1 CF6_U_4-20mA1.1 CRF1_U_4-20mA1.1 F1_U_4-20mA1.2 RF_U_4-20mA1.1 U2_U_4-20mA1.2
NetCF5_U_4-20mA1_2: CF5_U_4-20mA1.2 CF6_U_4-20mA1.2 CRF1_U_4-20mA1.2 J23.3 RF_U_4-20mA1.2 U2_U_4-20mA1.3
NetCF5_U_4-20mA2_1: CF5_U_4-20mA2.1 CF6_U_4-20mA2.1 CRF1_U_4-20mA2.1 F1_U_4-20mA2.2 RF_U_4-20mA2.1 U2_U_4-20mA2.2
NetCF5_U_4-20mA2_2: CF5_U_4-20mA2.2 CF6_U_4-20mA2.2 CRF1_U_4-20mA2.2 J21.3 RF_U_4-20mA2.2 U2_U_4-20mA2.3
NetCF5_U_4-20mA3_1: CF5_U_4-20mA3.1 CF6_U_4-20mA3.1 CRF1_U_4-20mA3.1 F1_U_4-20mA3.2 RF_U_4-20mA3.1 U2_U_4-20mA3.2
NetCF5_U_4-20mA3_2: CF5_U_4-20mA3.2 CF6_U_4-20mA3.2 CRF1_U_4-20mA3.2 J20.3 RF_U_4-20mA3.2 U2_U_4-20mA3.3
NetCF5_U_4-20mA4_1: CF5_U_4-20mA4.1 CF6_U_4-20mA4.1 CRF1_U_4-20mA4.1 F1_U_4-20mA4.2 RF_U_4-20mA4.1 U2_U_4-20mA4.2
NetCF5_U_4-20mA4_2: CF5_U_4-20mA4.2 CF6_U_4-20mA4.2 CRF1_U_4-20mA4.2 J10.3 RF_U_4-20mA4.2 U2_U_4-20mA4.3
NetCF5_U_4-20mA5_1: CF5_U_4-20mA5.1 CF6_U_4-20mA5.1 CRF1_U_4-20mA5.1 F1_U_4-20mA5.2 RF_U_4-20mA5.1 U2_U_4-20mA5.2
NetCF5_U_4-20mA5_2: CF5_U_4-20mA5.2 CF6_U_4-20mA5.2 CRF1_U_4-20mA5.2 J9.3 RF_U_4-20mA5.2 U2_U_4-20mA5.3
NetCF5_U_4-20mA6_1: CF5_U_4-20mA6.1 CF6_U_4-20mA6.1 CRF1_U_4-20mA6.1 F1_U_4-20mA6.2 RF_U_4-20mA6.1 U2_U_4-20mA6.2
NetCF5_U_4-20mA6_2: CF5_U_4-20mA6.2 CF6_U_4-20mA6.2 CRF1_U_4-20mA6.2 J8.3 RF_U_4-20mA6.2 U2_U_4-20mA6.3
NetCF7_U_4-20mA1_1: CF7_U_4-20mA1.1 RF8_U_4-20mA1.2 U7.9
NetCF7_U_4-20mA2_1: CF7_U_4-20mA2.1 RF8_U_4-20mA2.2 U7.8
NetCF7_U_4-20mA3_1: CF7_U_4-20mA3.1 RF8_U_4-20mA3.2 U7.7
NetCF7_U_4-20mA4_1: CF7_U_4-20mA4.1 RF8_U_4-20mA4.2 U7.15
NetCF7_U_4-20mA5_1: CF7_U_4-20mA5.1 RF8_U_4-20mA5.2 U7.11
NetCF7_U_4-20mA6_1: CF7_U_4-20mA6.1 RF8_U_4-20mA6.2 U7.10
NetCH11_2: CH11.2 U11.86 Y1.1 | length 1128.2
  Top Layer w10: v1(5970,10825) 5977.65,10832.65 5977.65,10863.48 5990,10875.82 5990,10890 ; v1(6595,10790) 6715.79,10790 Y1.1@6720,10785.79 6979.69,10785.79 CH11.2@6990.47,10775
  Bottom Layer w10: v1(5970,10825) 5970,10814.18 5986.57,10797.61 5986.57,10792.07 5993.64,10785 6590,10785 v1(6595,10790)
NetCH12_2: CH12.2 U11.85 Y1.2 | length 1073.9
  Top Layer w10: 6010,10890 6010,10855.82 6030,10835.82 v1(6030,10825) ; v1(6595,10885) 6719.21,10885 Y1.2@6720,10884.21 6989.69,10884.21 CH12.2@6990.47,10885
  Bottom Layer w10: v1(6030,10825) 6030,10835.82 6051.8,10857.62 6051.8,10871.8 6065,10885 v1(6595,10885)
NetCL21_2: CL21.2 U11.42 Y2.1 | length 1046.8
  Top Layer w10: 6028.74,10375 6028.74,10383.74 6040,10395 6040,10430 v1(6045,10435) ; v1(6595,10450) 6595.79,10450.79 Y2.1@6720,10450.79 7010.03,10450.79 7010.47,10450.34 CL21.2@7010.47,10442.47
  Bottom Layer w10: v1(6045,10435) 6080.82,10435 6095.82,10450 v1(6595,10450)
NetCL22_2: CL22.2 U11.41 Y2.2 | length 1178.8
  Top Layer w10: v1(5970,10430) 5980.82,10430 5998.75,10412.07 6002.93,10412.07 6010,10405 6010,10380 ; v1(6600,10560) 6709.21,10560 Y2.2@6720,10549.21 7006.26,10549.21 CL22.2@7010.47,10545
  Bottom Layer w10: v1(5970,10430) 5970,10435 6095,10560 v1(6600,10560)
NetCR5_1: CR5.1 Q3.1 Q3.2 Q3.3 Q4.1 Q4.2 Q4.3 R10.1 R11.1 R17.2
NetD1_1: D1.1 L1.1 U3.1
NetD2_1: D2.1 IC5.8 R13.2
NetF1_U_4-20mA1_1: F1_U_4-20mA1.1 J23.2
NetF1_U_4-20mA2_1: F1_U_4-20mA2.1 J21.2
NetF1_U_4-20mA3_1: F1_U_4-20mA3.1 J20.2
NetF1_U_4-20mA4_1: F1_U_4-20mA4.1 J10.2
NetF1_U_4-20mA5_1: F1_U_4-20mA5.1 J9.2
NetF1_U_4-20mA6_1: F1_U_4-20mA6.1 J8.2
NetIC2_14: IC2.14 Q1.4
NetIC2_16: IC2.16 Q3.4
NetIC3_18: IC3.18 Q4.4
NetIC3_23: IC3.23 Q2.4
NetIC5_1: IC5.1
NetIC5_5: IC5.5 R15.1
NetIC5_6: IC5.6 R12.2 R14.1
NetIC5_10: IC5.10 R16.1
NetJ1_1: J1.1 J2.3
NetJ1_2: J1.2 J2.2
NetJ3_1: J3.1 U5.1 U5.3
NetJ7_02: J7.02 U11.76 | length 27.6
  Top Layer w10: 6205,10945 6232.65,10945
NetJ7_03: J7.03 U11.95
NetJ7_04: J7.04 U11.77
NetJ7_05: J7.05 U11.93
NetJ7_06: J7.06 U11.88
NetJ7_07: J7.07 U11.92
NetJ7_12: J7.12 U11.27
NetJ7_14: J7.14 U11.30
NetJ7_16: J7.16 U11.46
NetJ7_20: J7.20 U11.48
NetJ7_22: J7.22 U11.49
NetJ7_24: J7.24 U11.50
NetJ7_26: J7.26 U11.51
NetJ7_28: J7.28 U11.52
NetJ7_30: J7.30 U11.53
NetJ7_32: J7.32 U11.97
NetJ7_36: J7.36 U11.100
NetJ7_38: J7.38 U11.1
NetJ7_40: J7.40 U11.2
NetJ7_44: J7.44 U11.24
NetJ7_46: J7.46 U11.25
NetJ7_81: J7.81 U11.71
NetJ7_83: J7.83 U11.66
NetJ7_85: J7.85 U11.64
NetJ7_87: J7.87 U11.20
NetJ7_89: J7.89 U11.21
NetJ7_91: J7.91 U11.22
NetJ7_93: J7.93 U11.32
NetJ7_95: J7.95 U11.9
NetJ7_97: J7.97 U11.10
NetJ7_99: J7.99 U11.11
NetR3_1: R3.1 U2.24 | length 257.8
  Top Layer w10: R3.1@4115,10945 4115,11195.28 U2.24@4120.35,11200.63
NetR4_1: R4.1 U2.23 | length 300.7
  Top Layer w10: R4.1@3960,10952.01 3970.83,10952.01 4070.35,11051.54 U2.23@4070.35,11200.63
NetRF1_U_Flowmeter1_2: RF1_U_Flowmeter1.2 RF3_U_Flowmeter1.2 RF4_U_Flowmeter1.1 U1_U_Flowmeter1.1 | length 893
  Top Layer w10: RF3_U_Flowmeter1.2@2541.54,7995 2546.54,7990 2739.14,7990 2745,7995.86 ; RF1_U_Flowmeter1.2@2745,8141.73 2745,7995.86 ; U1_U_Flowmeter1.1@2795,7588 2795,7616.5 2745,7666.5 2745,7995.86 ; RF4_U_Flowmeter1.1@2845,8021.46 2770.6,8021.46 2745,7995.86
NetRF1_U_Flowmeter2_2: RF1_U_Flowmeter2.2 RF3_U_Flowmeter2.2 RF4_U_Flowmeter2.1 U1_U_Flowmeter2.1 | length 829.8
  Top Layer w10: RF3_U_Flowmeter2.2@4326.54,7951.26 RF3_U_Flowmeter2.2@4326.54,7980 4420,7980 4445,8005 ; RF1_U_Flowmeter2.2@4445,8171.73 4445,8005 ; U1_U_Flowmeter2.1@4495,7708 4495,7736.5 4445,7786.5 4445,8005 ; RF4_U_Flowmeter2.1@4610,8060 4500,8060 4445,8005
NetRF1_U_Flowmeter3_2: RF1_U_Flowmeter3.2 RF3_U_Flowmeter3.2 RF4_U_Flowmeter3.1 U1_U_Flowmeter3.1
NetRF1_U_Flowmeter4_2: RF1_U_Flowmeter4.2 RF3_U_Flowmeter4.2 RF4_U_Flowmeter4.1 U1_U_Flowmeter4.1
NetRF2_U_Flowmeter1_2: RF2_U_Flowmeter1.2 RF4_U_Flowmeter1.2 U1_U_Flowmeter1.7 U11.47 | length 519.1
  Top Layer w10: U1_U_Flowmeter1.7@2845,7782 2845,7960 2957.01,8072.01 ; RF4_U_Flowmeter1.2@2845,8078.54 2851.54,8072.01 2957.01,8072.01 ; RF2_U_Flowmeter1.2@3025,8072.01 2957.01,8072.01
NetRF2_U_Flowmeter2_2: RF2_U_Flowmeter2.2 RF4_U_Flowmeter2.2 U1_U_Flowmeter2.7 U11.58 | length 436.8
  Top Layer w10: U1_U_Flowmeter2.7@4545,7902 4548.86,7905.86 4548.86,7951.69 4714.95,8117.78 ; RF4_U_Flowmeter2.2@4600,8118.54 4600.77,8117.78 4714.95,8117.78 ; RF2_U_Flowmeter2.2@4750,8117.01 4749.23,8117.78 4714.95,8117.78
NetRF2_U_Flowmeter3_2: RF2_U_Flowmeter3.2 RF4_U_Flowmeter3.2 U1_U_Flowmeter3.7 U11.90
NetRF2_U_Flowmeter4_2: RF2_U_Flowmeter4.2 RF4_U_Flowmeter4.2 U1_U_Flowmeter4.7 U11.89
NetRF8_U_4-20mA1_1: RF8_U_4-20mA1.1 U2_U_4-20mA1.6
NetRF8_U_4-20mA2_1: RF8_U_4-20mA2.1 U2_U_4-20mA2.6
NetRF8_U_4-20mA3_1: RF8_U_4-20mA3.1 U2_U_4-20mA3.6
NetRF8_U_4-20mA4_1: RF8_U_4-20mA4.1 U2_U_4-20mA4.6
NetRF8_U_4-20mA5_1: RF8_U_4-20mA5.1 U2_U_4-20mA5.6
NetRF8_U_4-20mA6_1: RF8_U_4-20mA6.1 U2_U_4-20mA6.6
NetSW11_a: SW11.a U11.8
NetSW12_a: SW12.a U11.5
NetU2_27: U2.27 U11.98 | length 1712.1
  Top Layer w10: U2.27@4230,11340 4668.42,11340 4730.78,11277.64 4976.41,11277.64 5361.41,10892.64 5744.38,10892.64 5753.15,10901.4
NetU2_28: U2.28 U11.99 | length 1663.6
  Top Layer w10: U2.28@4230,11390 4646.7,11390 4739.06,11297.64 5427.36,11297.64 5730,10995
NetU4_1: U4.1 U4.3
NetU7_1: U7.1
NetU7_2: U7.2
NetU7_13: U7.13
NetU7_16: U7.16
NetU7_18: U7.18
NetU7_19: U7.19 U11.63
NetU7_20: U7.20 U11.17
NetU7_21: U7.21 U11.62
NetU7_22: U7.22 U11.61
NetU7_23: U7.23 U11.19
NetU7_24: U7.24 U11.18
RST: C13.2 J7.09 R6.1 SW13.a | length 315.2
  Top Layer w10: 5562.52,9823.11 5570.47,9831.06 R6.1@5570.47,10135
TMS_SWDIO: J7.01 U11.94
VCC: RF1_U_Flowmeter1.1 RF1_U_Flowmeter2.1 RF1_U_Flowmeter3.1 RF1_U_Flowmeter4.1 RF2_U_Flowmeter1.1 RF2_U_Flowmeter2.1 RF2_U_Flowmeter3.1 RF2_U_Flowmeter4.1 U1_U_Flowmeter1.6 U1_U_Flowmeter2.6 U1_U_Flowmeter3.6 U1_U_Flowmeter4.6 | length 10.3
  Top Layer w10: RF2_U_Flowmeter1.1@3018.19,8031.18 3018.19,8032.36 3023.82,8037.99 RF2_U_Flowmeter1.1@3025,8037.99
VCORE: "L VSW.2" CU9.1 CU10.2 U11.12 | length 967.2
  Top Layer w10: 5172.26,10612.54 5359.72,10800 ; CU9.1@5235.35,10800 5359.72,10800 ; CU10.2@5250.51,10930 5295.76,10930 5425.76,10800 ; U11.12@5648.03,10654.29 5647.2,10655.12 5612.04,10655.12 5467.15,10800 5425.76,10800 ; 5359.72,10800 5425.76,10800
Vin: C10.1 C11.2 C12.2 C14.1 C24.1 C25.1 C26.1 C27.1 C.1 CR6.1 Q1.5 Q1.6 Q1.7 Q1.8 R9.2 R13.1 U3.2 U4.2 U5.2
VSW: "L VSW.1" U11.14 | length 376.4
  Top Layer w10: 5271.67,10614.92 5450,10614.92 U11.14@5648.03,10614.92
pads on no net: "JP 1.1" "JP 1.2" IC1.1 IC1.2 IC1.3 IC1.4 IC1.5 IC1.6 IC1.8 IC1.9 IC1.10 IC1.11 IC1.13 IC1.14 IC1.15 IC1.16 IC1.18 IC1.22 IC1.23 IC1.24 IC2.1 IC2.2 IC2.3 IC2.4 IC2.5 IC2.6 IC2.7 IC2.8 IC2.9 IC2.10 IC2.11 IC2.12 IC2.17 IC2.18 IC2.19 IC2.20 IC2.21 IC2.22 IC2.23 IC2.24 IC3.1 IC3.2 IC3.3 IC3.4 IC3.5 IC3.6 IC3.7 IC3.8 IC3.9 IC3.10 IC3.11 IC3.12 IC3.13 IC3.14 IC3.15 IC3.16 IC3.17 IC3.19 IC3.20 IC3.21 IC4.1 IC4.2 IC4.5 IC4.6 IC4.7 IC4.8 IC4.9 IC4.10 IC4.11 IC4.12 IC4.13 IC4.14 IC4.15 IC4.16 IC4.17 IC4.18 IC4.19 IC4.20 IC4.21 IC4.22 IC4.23 IC4.24 IC5.3 IC5.4 IC5.7 IC5.12 IC5.13 IC5.14 IC5.15 IC5.16 IC5.17 IC5.18 IC5.19 IC5.20 IC5.21 IC5.22 IC5.23 IC5.24 J4.1 J4.2 J5.1 J5.2 J6.1 J6.2 J7. J7.08 J7.10 J7.18 J7.21 J7.23 J7.25 J7.27 J7.29 J7.31 J7.33 J7.34 J7.35 J7.37 J7.39 J7.41 J7.42 J7.43 J7.45 J7.47 J7.48 J7.49 J7.51 J7.53 J7.54 J7.55 J7.56 J7.57 J7.58 J7.59 J7.60 J7.61 J7.62 J7.63 J7.64 J7.65 J7.66 J7.67 J7.68 J7.69 J7.70 J7.71 J7.72 J7.73 J7.74 J7.75 J7.76 J7.77 J7.78 J7.79 J7.80 J7.82 J7.84 J7.86 J7.88 J7.90 J7.92 J7.94 J7.96 J7.98 J7.100 J.1 J.2 U1_U_Flowmeter1.3 U1_U_Flowmeter1.4 U1_U_Flowmeter1.5 U1_U_Flowmeter2.3 U1_U_Flowmeter2.4 U1_U_Flowmeter2.5 U1_U_Flowmeter3.3 U1_U_Flowmeter3.4 U1_U_Flowmeter3.5 U1_U_Flowmeter4.3 U1_U_Flowmeter4.4 U1_U_Flowmeter4.5 U2.4 U2.5 U2.6 U2.7 U2.8 U2.9 U2.10 U2.11 U2.12 U2.13 U2.14 U2.16 U2.17 U2.18 U2.19 U2.20 U2.21 U2.22 U2.26 U2.29 U2.30 U2.31 U2.32 U2.33 U2.36 U2.37 U2_U_4-20mA1.5 U2_U_4-20mA1.8 U2_U_4-20mA2.5 U2_U_4-20mA2.8 U2_U_4-20mA3.5 U2_U_4-20mA3.8 U2_U_4-20mA4.5 U2_U_4-20mA4.8 U2_U_4-20mA5.5 U2_U_4-20mA5.8 U2_U_4-20mA6.5 U2_U_4-20mA6.8 U7.14 U11.4 U11.6 U11.7 U11.16 U11.23 U11.26 U11.28 U11.29 U11.31 U11.33 U11.34 U11.35 U11.36 U11.37 U11.38 U11.39 U11.54 U11.55 U11.56 U11.57 U11.59 U11.60 U11.65 U11.67 U11.68 U11.69 U11.70 U11.74 U11.75 U11.78 U11.79 U11.80 U11.81 U11.91 U11.96 U.1

## Text inside footprints (layer, text, board x,y; h text height)
CR2: Mechanical 7 "Default Padstyle: RX86Y126D0T" at 24836.74,192.5 h50 r90; Mechanical 7 "Alt 1 Padstyle: OX60Y90D30P" at 24911.74,217.5 h50 r90; Mechanical 7 "Alt 2 Padstyle: OX90Y60D30P" at 24986.74,217.5 h50 r90; Mechanical 7 "0.126in/3.2mm" at 24451.24,801 h25 r90; Mechanical 7 "0.246in/6.248mm" at 24451.24,901 h25 r90; Mechanical 7 "0.32in/8.128mm" at 24756.74,467.5 h25 r90; Mechanical 7 "0.06in/1.524mm" at 24656.74,337.5 h25 r90
CR3: Mechanical 7 "Default Padstyle: RX86Y126D0T" at 23391.74,192.5 h50 r90; Mechanical 7 "Alt 1 Padstyle: OX60Y90D30P" at 23466.74,217.5 h50 r90; Mechanical 7 "Alt 2 Padstyle: OX90Y60D30P" at 23541.74,217.5 h50 r90; Mechanical 7 "0.126in/3.2mm" at 23006.24,801 h25 r90; Mechanical 7 "0.246in/6.248mm" at 23006.24,901 h25 r90; Mechanical 7 "0.32in/8.128mm" at 23311.74,467.5 h25 r90; Mechanical 7 "0.06in/1.524mm" at 23211.74,337.5 h25 r90
CR4: Mechanical 7 "Default Padstyle: RX86Y126D0T" at 21346.74,192.5 h50 r90; Mechanical 7 "Alt 1 Padstyle: OX60Y90D30P" at 21421.74,217.5 h50 r90; Mechanical 7 "Alt 2 Padstyle: OX90Y60D30P" at 21496.74,217.5 h50 r90; Mechanical 7 "0.126in/3.2mm" at 20961.24,801 h25 r90; Mechanical 7 "0.246in/6.248mm" at 20961.24,901 h25 r90; Mechanical 7 "0.32in/8.128mm" at 21266.74,467.5 h25 r90; Mechanical 7 "0.06in/1.524mm" at 21166.74,337.5 h25 r90
CR5: Mechanical 7 "Default Padstyle: RX86Y126D0T" at 20361.74,192.5 h50 r90; Mechanical 7 "Alt 1 Padstyle: OX60Y90D30P" at 20436.74,217.5 h50 r90; Mechanical 7 "Alt 2 Padstyle: OX90Y60D30P" at 20511.74,217.5 h50 r90; Mechanical 7 "0.126in/3.2mm" at 19976.24,801 h25 r90; Mechanical 7 "0.246in/6.248mm" at 19976.24,901 h25 r90; Mechanical 7 "0.32in/8.128mm" at 20281.74,467.5 h25 r90; Mechanical 7 "0.06in/1.524mm" at 20181.74,337.5 h25 r90
CR6: Mechanical 7 "Default Padstyle: RX86Y86D0T" at 17422.5,2630 h50 r90; Mechanical 7 "Alt 1 Padstyle: OX60Y90D30P" at 17497.5,2642.5 h50 r90; Mechanical 7 "Alt 2 Padstyle: OX90Y60D30P" at 17572.5,2642.5 h50 r90; Mechanical 7 "0.086in/2.184mm" at 17082.5,3176 h25 r90; Mechanical 7 "0.155in/3.937mm" at 17082.5,3276 h25 r90; Mechanical 7 "0.22in/5.588mm" at 17342.5,2892.5 h25 r90; Mechanical 7 "0.06in/1.524mm" at 17242.5,2812.5 h25 r90
CRF1_U_4-20mA1: Mechanical 7 "Default Padstyle: RX86Y86D0T" at 11278.74,5677.5 h50; Mechanical 7 "Alt 1 Padstyle: OX60Y90D30P" at 11291.24,5602.5 h50; Mechanical 7 "Alt 2 Padstyle: OX90Y60D30P" at 11291.24,5527.5 h50; Mechanical 7 "0.086in/2.184mm" at 11824.74,6017.5 h25; Mechanical 7 "0.155in/3.937mm" at 11924.74,6017.5 h25; Mechanical 7 "0.22in/5.588mm" at 11541.24,5757.5 h25; Mechanical 7 "0.06in/1.524mm" at 11461.24,5857.5 h25
CRF1_U_4-20mA2: Mechanical 7 "Default Padstyle: RX86Y86D0T" at 12883.74,5667.5 h50; Mechanical 7 "Alt 1 Padstyle: OX60Y90D30P" at 12896.24,5592.5 h50; Mechanical 7 "Alt 2 Padstyle: OX90Y60D30P" at 12896.24,5517.5 h50; Mechanical 7 "0.086in/2.184mm" at 13429.74,6007.5 h25; Mechanical 7 "0.155in/3.937mm" at 13529.74,6007.5 h25; Mechanical 7 "0.22in/5.588mm" at 13146.24,5747.5 h25; Mechanical 7 "0.06in/1.524mm" at 13066.24,5847.5 h25
CRF1_U_4-20mA3: Mechanical 7 "Default Padstyle: RX86Y86D0T" at 2427.5,3659.84 h50 r90; Mechanical 7 "Alt 1 Padstyle: OX60Y90D30P" at 2502.5,3672.34 h50 r90; Mechanical 7 "Alt 2 Padstyle: OX90Y60D30P" at 2577.5,3672.34 h50 r90; Mechanical 7 "0.086in/2.184mm" at 2087.5,4205.84 h25 r90; Mechanical 7 "0.155in/3.937mm" at 2087.5,4305.84 h25 r90; Mechanical 7 "0.22in/5.588mm" at 2347.5,3922.34 h25 r90; Mechanical 7 "0.06in/1.524mm" at 2247.5,3842.34 h25 r90
CRF1_U_4-20mA4: Mechanical 7 "Default Padstyle: RX86Y86D0T" at 12838.74,6742.5 h50; Mechanical 7 "Alt 1 Padstyle: OX60Y90D30P" at 12851.24,6667.5 h50; Mechanical 7 "Alt 2 Padstyle: OX90Y60D30P" at 12851.24,6592.5 h50; Mechanical 7 "0.086in/2.184mm" at 13384.74,7082.5 h25; Mechanical 7 "0.155in/3.937mm" at 13484.74,7082.5 h25; Mechanical 7 "0.22in/5.588mm" at 13101.24,6822.5 h25; Mechanical 7 "0.06in/1.524mm" at 13021.24,6922.5 h25
CRF1_U_4-20mA5: Mechanical 7 "Default Padstyle: RX86Y86D0T" at 9942.5,10036.26 h50 r90; Mechanical 7 "Alt 1 Padstyle: OX60Y90D30P" at 10017.5,10048.76 h50 r90; Mechanical 7 "Alt 2 Padstyle: OX90Y60D30P" at 10092.5,10048.76 h50 r90; Mechanical 7 "0.086in/2.184mm" at 9602.5,10582.26 h25 r90; Mechanical 7 "0.155in/3.937mm" at 9602.5,10682.26 h25 r90; Mechanical 7 "0.22in/5.588mm" at 9862.5,10298.76 h25 r90; Mechanical 7 "0.06in/1.524mm" at 9762.5,10218.76 h25 r90
CRF1_U_4-20mA6: Mechanical 7 "Default Padstyle: RX86Y86D0T" at 9203.74,7937.5 h50; Mechanical 7 "Alt 1 Padstyle: OX60Y90D30P" at 9216.24,7862.5 h50; Mechanical 7 "Alt 2 Padstyle: OX90Y60D30P" at 9216.24,7787.5 h50; Mechanical 7 "0.086in/2.184mm" at 9749.74,8277.5 h25; Mechanical 7 "0.155in/3.937mm" at 9849.74,8277.5 h25; Mechanical 7 "0.22in/5.588mm" at 9466.24,8017.5 h25; Mechanical 7 "0.06in/1.524mm" at 9386.24,8117.5 h25
U2: Top 3D Body "ANTENNA" at 3659.13,12037.24 h70
U4: Top 3D Body "TAB" at 24439.62,2926.25 h25 r90; Mechanical 7 "Alt 2 Padstyle: OX90Y60D30P" at 24940.12,2607.5 h50 r90; Mechanical 7 "Alt 1 Padstyle: OX60Y90D30P" at 24880.12,2607.5 h50 r90; Mechanical 7 "Pin 1 Padstyle: EX45Y45D0T" at 24820.12,2620 h50 r90; Mechanical 7 "Default Padstyle: EX45Y45D35P" at 24760.12,2582.5 h50 r90
U5: Top 3D Body "TAB" at 20599.62,2926.25 h25 r90; Mechanical 7 "Alt 2 Padstyle: OX90Y60D30P" at 21100.12,2607.5 h50 r90; Mechanical 7 "Alt 1 Padstyle: OX60Y90D30P" at 21040.12,2607.5 h50 r90; Mechanical 7 "Pin 1 Padstyle: EX45Y45D0T" at 20980.12,2620 h50 r90; Mechanical 7 "Default Padstyle: EX45Y45D35P" at 20920.12,2582.5 h50 r90